# Altium PCB LightLink_V2_NOT_USED.PcbDoc (part 2 of 3) (continued)
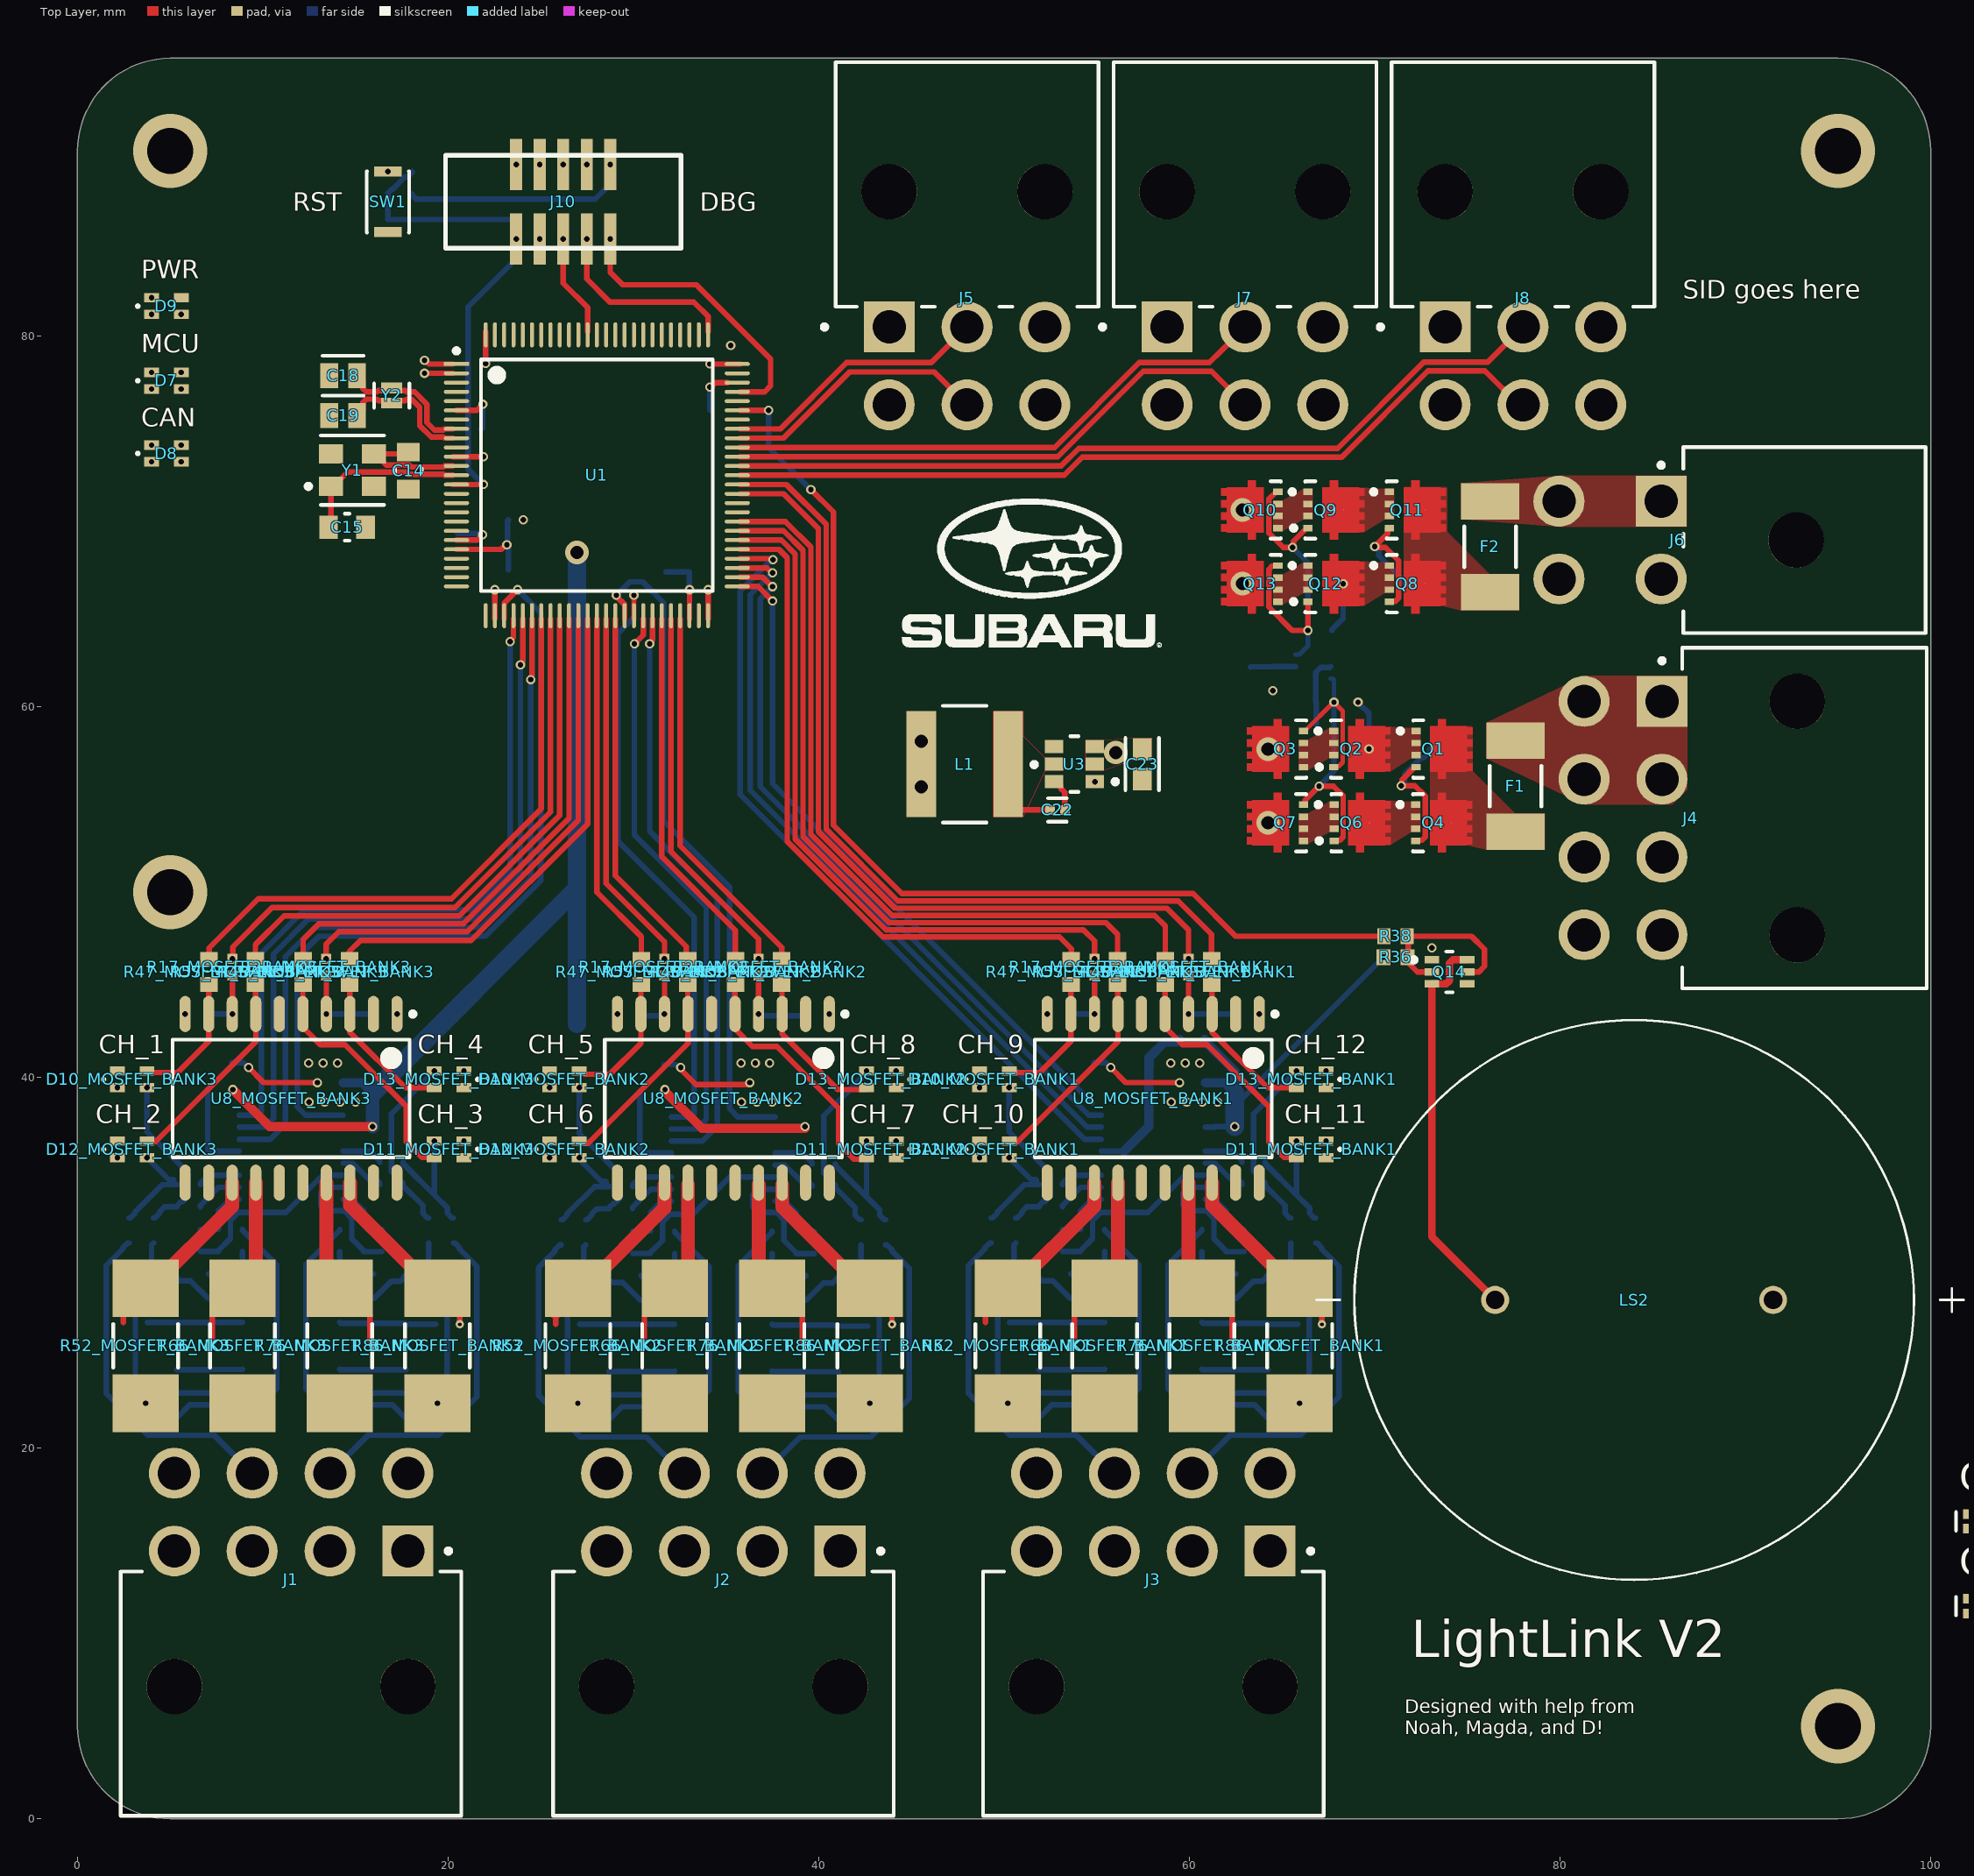
[diagram p0: Top Layer view]
## Nets (pads, with @x,y where several pads share a name; then routed paths per layer and width w, separated by ;. In a path a pad name is that pad's centre, name@x,y a point inside that pad or via, vN(x,y) a via of type N, cw(c..) or ccw(c..) an arc to the next point about the centre after c; other vN are vias at no path point)
3V3: C2.1 C3.2 C4.2 C5.2 C6.2 C9.2 C10.2 C11.2 C12.1 C13.1 C20_MOSFET_BANK1.1 C20_MOSFET_BANK2.1 C20_MOSFET_BANK3.1 C24.1 C25.1 C26.2 C29.2 C36.2 C37.2 C38.2 C39.1 C40.1 D7.2 D7.3 D9.2 FB1.1 J10.1 L1.2 R23_MOSFET_BANK1.1 R23_MOSFET_BANK2.1 R23_MOSFET_BANK3.1 R36.2 R41_MOSFET_BANK1.2 R41_MOSFET_BANK2.2 R41_MOSFET_BANK3.2 R45.1 R84_MOSFET_BANK1.2 R84_MOSFET_BANK2.2 R84_MOSFET_BANK3.2 R85_MOSFET_BANK1.2 R85_MOSFET_BANK2.2 R85_MOSFET_BANK3.2 R105.2 SW2.2 U1.6 U1.11 U1.20 U1.27 U1.48 U1.50 U1.73 U1.75 U1.100 U2.2 U2.13 U3.1 U4.5 U5.4 U9_MOSFET_BANK1.2 U9_MOSFET_BANK2.2 U9_MOSFET_BANK3.2 | length 107.1
  Top Layer w0.3: U1.11@20.25,73.5 v1(21.9,73.5) ; U1.20@20.45,69 21.565,69 v1(21.861,69.296) ; U1.6@20.45,76 21.546,76 v1(21.871,76.325) ; v1(22.025,78.525) U1.100@22.025,80.25 ; U1.27@22.525,64.75 v1(22.525,66.325) ; U1.48@33.025,64.75 v1(33.025,66.325) ; U1.50@34.025,64.75 v1(34.025,66.325) ; v1(34.125,77.25) 34.179,77.25 34.429,77.5 U1.73@35.073,77.5 ; v1(34.125,78.5) U1.75@35.75,78.5
  Top Layer w0.5: v1(8.375,39.35) 10.375,37.35 v1(15.925,37.35)
  Bottom Layer w0.3: U9_MOSFET_BANK3.2@14.325,37.325 14.864,37.325 14.889,37.35 v1(15.925,37.35) ; R45.1@18.05,87.675 18.05,87.625 18.275,87.4 27.94,87.4 28.75,88.21 v1(28.75,89.27) ; C40.1@20.486,69.396 20.525,69.357 21.801,69.357 v1(21.861,69.296) ; C39.1@21.792,74.975 21.871,75.054 v1(21.871,76.325) ; C36.2@31.75,67.275 C36.2@31.775,67.275 33,67.275 33.013,67.262 33.013,66.337 v1(33.025,66.325) ; C9.2@34.125,76 v1(34.125,77.25) ; U9_MOSFET_BANK1.2@60.85,37.325 61.389,37.325 61.414,37.35 v1(62.45,37.35) ; 62.45,38.47 v1(70.478,46.497)
  Bottom Layer w0.5: R41_MOSFET_BANK3.2@14.35,39.725 15.375,39.725 15.925,39.175 ; R23_MOSFET_BANK1.1@60.825,42.05 60.825,41.975 62.45,40.35 62.45,39.175 61.9,39.725 R41_MOSFET_BANK1.2@60.875,39.725
  Bottom Layer w0.75: v1(15.925,37.35) 15.925,39.175
  Bottom Layer w1: 15.925,39.175 26.95,50.2 ; 26.95,42.9 26.95,50.2 ; v2(26.95,68.325) 26.95,50.2 ; v1(62.45,37.35) 62.45,38.47 62.45,39.175
  other v1: 54.9,55.963 24.05,70.1 5.6,77.15 5.6,78.05 5.6,81.175
  other v2: 45.526,55.688 45.526,58.138
5V: C28.2 C34.2 R50.2 U4.3 U10.1
12V_IN: F2.1 J6.1 J6.3
12V_INH: D5.2 U1.92
12V_MOSFET: Q5.3 Q9.4 Q10.4 Q12.4 Q13.4 R5.2 | length 18.8
  Top Layer w0.3: Q13.4@64.775,67.625 64.75,67.6 64.462,67.6 64.286,67.424 64.286,65.389 65.55,64.125 v1(66.4,64.125) ; Q10.4@64.775,71.6 64.7,71.6 64.464,71.364 64.426,71.364 64.286,71.224 64.286,69.376 65.062,68.6 v1(65.575,68.6) 65.613,68.638 65.613,68.938 66.325,69.65 Q9.4@66.4,69.65 ; v1(66.4,64.125) Q12.4@66.4,65.675
  Bottom Layer w0.254: Q5.3@65.725,62.825 65.925,62.825 66.4,63.3 v1(66.4,64.125)
  Bottom Layer w0.3: v1(65.575,68.6) 66.4,67.775 v1(66.4,64.125)
12V_SENSE: R9.2 R14.2 U2.6
+12: J5.1 J5.3 J7.1 J7.3 J8.1 J8.3 Q10.5-6-7-8 Q13.5-6-7-8 R9.1
  other v2: 62.865,66.65 62.865,70.625
ADC_MISO_MOSFET_BANK1: U1.53 U9_MOSFET_BANK1.15 | length 40.6
  Top Layer w0.3: U1.53@35.75,67.5 37.199,67.5 37.46,67.239 v1(37.514,67.239)
  Bottom Layer w0.3: v1(37.514,67.239) 37.486,67.239 36.3,66.053 36.3,55.5 54.475,37.325 U9_MOSFET_BANK1.15@55.25,37.325
ADC_MISO_MOSFET_BANK2: U1.43 U9_MOSFET_BANK2.15 | length 30.8
  Top Layer w0.3: v1(30.05,63.4) 30.525,63.875 U1.43@30.525,64.75
  Bottom Layer w0.3: v1(30.05,63.4) 30.05,53.1 33.925,49.225 33.925,37.825 ; U9_MOSFET_BANK2.15@32.05,37.226 33.425,37.226 33.925,37.726
ADC_MISO_MOSFET_BANK3: U1.30 U9_MOSFET_BANK3.15 | length 39.9
  Top Layer w0.3: v1(23.9,62.275) 23.9,62.329 24.025,62.454 U1.30@24.025,64.75
  Bottom Layer w0.3: U9_MOSFET_BANK3.15@8.725,37.325 10.1,37.325 10.575,37.8 10.575,46.675 12.461,48.561 21.511,48.561 23.9,50.95 v1(23.9,62.275)
ADC_MOSI_MOSFET_BANK1: U1.54 U9_MOSFET_BANK1.14 | length 42.5
  Top Layer w0.3: U1.54@35.75,68 37.425,68 37.475,67.95 v1(37.529,67.95)
  Bottom Layer w0.3: v1(37.529,67.95) 37.475,67.95 37.314,67.789 37.286,67.789 35.75,66.253 35.75,55.275 54.35,36.675 U9_MOSFET_BANK1.14@55.25,36.675
ADC_MOSI_MOSFET_BANK2: U1.44 U9_MOSFET_BANK2.14 | length 31.7
  Top Layer w0.3: v1(30.875,63.4) 30.875,63.454 31.025,63.604 U1.44@31.025,64.75
  Bottom Layer w0.3: v1(30.875,63.4) 30.875,53.3 34.525,49.65 34.525,37.475 ; U9_MOSFET_BANK2.14@32.05,36.576 33.725,36.576 34.525,37.376
ADC_MOSI_MOSFET_BANK3: U1.31 U9_MOSFET_BANK3.14 | length 40.9
  Top Layer w0.3: v1(24.45,61.475) 24.488,61.513 24.488,61.655 24.525,61.691 U1.31@24.525,64.75
  Bottom Layer w0.3: U9_MOSFET_BANK3.14@8.725,36.675 10.4,36.675 11.225,37.5 11.225,46.525 12.8,48.1 21.775,48.1 24.45,50.775 v1(24.45,61.475)
ADC_nCS_MOSFET_BANK1: U1.51 U9_MOSFET_BANK1.1 | length 36.3
  Top Layer w0.3: U1.51@35.75,66.5 36.725,66.5 v1(37.514,65.711)
  Bottom Layer w0.3: v1(37.514,65.711) 37.514,55.861 54.75,38.625
ADC_nCS_MOSFET_BANK2: U1.41 U9_MOSFET_BANK2.1 | length 36.1
  Top Layer w0.3: v1(29.075,66.025) 29.075,65.971 29.525,65.521 U1.41@29.525,64.75
  Bottom Layer w0.3: v1(29.075,66.025) 29.8,66.75 30.5,66.75 31.625,65.625 31.625,53.85 35.185,50.29 35.185,38.415 ; 35.185,38.316 35.625,37.876 U9_MOSFET_BANK2.1@37.65,37.876
ADC_nCS_MOSFET_BANK3: U1.28 U9_MOSFET_BANK3.1 | length 43.7
  Top Layer w0.3: U1.28@23.025,64.75 23.025,65.6 v1(23.75,66.325)
  Bottom Layer w0.3: U9_MOSFET_BANK3.1@14.325,37.975 12.3,37.975 11.86,38.415 11.86,46.46 13.025,47.625 22,47.625 25,50.625 25,65.075 v1(23.75,66.325)
ADC_SCLK_MOSFET_BANK1: U1.52 U9_MOSFET_BANK1.16 | length 38.8
  Top Layer w0.3: U1.52@35.75,67 36.975,67 37.486,66.489 v1(37.514,66.489)
  Bottom Layer w0.3: v1(37.514,66.489) 36.85,65.825 36.85,55.7 54.575,37.975 U9_MOSFET_BANK1.16@55.25,37.975
ADC_SCLK_MOSFET_BANK2: U1.42 U9_MOSFET_BANK2.16 | length 32.5
  Top Layer w0.3: U1.42@30.025,64.75 v1(30.025,66.025)
  Bottom Layer w0.3: v1(30.025,66.025) 30.025,64.823 29.175,63.973 29.175,52.75 33.275,48.65 33.275,38.151 ; U9_MOSFET_BANK2.16@32.05,37.876 33.1,37.876 33.275,38.052
ADC_SCLK_MOSFET_BANK3: U1.29 U9_MOSFET_BANK3.16 | length 38.8
  Top Layer w0.3: v1(23.35,63.525) 23.35,63.579 23.525,63.754 U1.29@23.525,64.75
  Bottom Layer w0.3: U9_MOSFET_BANK3.16@8.725,37.975 9.744,37.975 9.92,38.151 9.92,46.72 12.25,49.05 21.25,49.05 23.35,51.15 v1(23.35,63.525)
ADDR_1: J5.2 U1.68 | length 14.5
  Top Layer w0.3: U1.68@35.75,75 37.925,75 41.5,78.575 46.075,78.575 J5.2@48,80.5
ADDR_2: J5.5 U1.67 | length 14.5
  Top Layer w0.3: U1.67@35.75,74.5 38.1,74.5 41.675,78.075 46.225,78.075 J5.5@48,76.3
ADDR_3: J7.2 U1.66 | length 29.9
  Top Layer w0.3: U1.66@35.75,74 52.725,74 57.3,78.575 61.075,78.575 61.725,79.225 J7.2@63,80.5
ADDR_4: J7.5 U1.65 | length 29.9
  Top Layer w0.3: U1.65@35.75,73.5 52.9,73.5 57.5,78.1 61.2,78.1 J7.5@63,76.3
ADDR_5: J8.2 U1.64 | length 45.4
  Top Layer w0.3: U1.64@35.75,73 53.075,73 54.025,73.95 68,73.95 72.65,78.6 76.1,78.6 J8.2@78,80.5
ADDR_6: J8.5 U1.63 | length 45.3
  Top Layer w0.3: U1.63@35.75,72.5 53.25,72.5 54.225,73.475 68.225,73.475 72.875,78.125 75.95,78.125 77.775,76.3 J8.5@78,76.3
BOOT: C26.1 R19.1 R20.2 R25.2
BUZZ: D9.3 R38.1 U1.70 | length 57.6
  Top Layer w0.3: U1.70@35.75,76 v1(37.3,76) ; v1(39.575,71.725) 40.789,70.511 40.789,53.611 44.475,49.925 60.2,49.925 62.5,47.625 R38.1@70.5,47.625
  Bottom Layer w0.3: v1(37.3,76) 37.3,74 v1(39.575,71.725)
BUZZ_NEG: LS2.N Q14.3 Q14.6 | length 21.5
  Top Layer w0.4: Q14.6@74.986,46.35 74.212,46.35 74.036,46.174 74.036,45.225 73.86,45.05 Q14.3@73.086,45.05 73.086,31.414 LS2.N@76.5,28
CAN1_RX: R27.1 U1.81 U4.4
CAN1_TX: R37.1 U1.82 U4.1
CAN_INH: D3.2 R2.1 U4.7
CAN_N: D4.2 J9.4 L2.3
CAN_nCS: R26.2 U4.14
CAN_P: D4.1 J9.1 L2.2
CAN_VSUP: D6.2 F1.1 J4.1 J4.2 J4.5 J4.6 J9.6
DIAG_ADC_nCS: R28.1 U2.1
G_LED: R34.1 U1.2 | length 1.5
  Top Layer w0.3: v1(18.725,78) U1.2@20.25,78
GND: C1.2 C2.2 C3.1 C4.1 C5.1 C6.1 C7.2 C8.1 C9.1 C10.1 C11.1 C12.2 C13.2 C14.1 C15.1 C16_MOSFET_BANK1.2 C16_MOSFET_BANK2.2 C16_MOSFET_BANK3.2 C17.2 C18.2 C19.2 C20_MOSFET_BANK1.2 C20_MOSFET_BANK2.2 C20_MOSFET_BANK3.2 C21_MOSFET_BANK1.2 C21_MOSFET_BANK2.2 C21_MOSFET_BANK3.2 C23.2 C24.2 C25.2 C27.1 C28.1 C29.1 C30.1 C31.1 C32.2 C33.2 C34.1 C35.1 C36.1 C37.1 C38.1 C39.2 C40.2 D4.3 D10_MOSFET_BANK1.4 D10_MOSFET_BANK2.4 D10_MOSFET_BANK3.4 D11_MOSFET_BANK1.4 D11_MOSFET_BANK2.4 D11_MOSFET_BANK3.4 D12_MOSFET_BANK1.4 D12_MOSFET_BANK2.4 D12_MOSFET_BANK3.4 D13_MOSFET_BANK1.4 D13_MOSFET_BANK2.4 D13_MOSFET_BANK3.4 J1.1 J1.2 J1.3 J1.4 J2.1 J2.2 J2.3 J2.4 J3.1 J3.2 J3.3 J3.4 J4.3 J4.4 J4.7 J4.8 J5.4 J5.6 J6.2 J6.4 J7.4 J7.6 J8.4 J8.6 J9.3 J10.3 J10.5 Q5.1 Q5.4 Q14.1 Q14.4 R3.2 R4.2 R7.2 R12.2 R13.1 R14.1 R15.1 R16.1 R18_MOSFET_BANK1.1 R18_MOSFET_BANK2.1 R18_MOSFET_BANK3.1 R20.1 R22_MOSFET_BANK1.1 R22_MOSFET_BANK2.1 R22_MOSFET_BANK3.1 R33.1 R35.1 R40.1 R44.2 R46_MOSFET_BANK1.1 R46_MOSFET_BANK2.1 R46_MOSFET_BANK3.1 R51.2 R59_MOSFET_BANK1.1 R59_MOSFET_BANK2.1 R59_MOSFET_BANK3.1 R60_MOSFET_BANK1.1 R60_MOSFET_BANK2.1 R60_MOSFET_BANK3.1 R71_MOSFET_BANK1.1 R71_MOSFET_BANK2.1 R71_MOSFET_BANK3.1 R72_MOSFET_BANK1.1 R72_MOSFET_BANK2.1 R72_MOSFET_BANK3.1 R81_MOSFET_BANK1.1 R81_MOSFET_BANK2.1 R81_MOSFET_BANK3.1 R82_MOSFET_BANK1.1 R82_MOSFET_BANK2.1 R82_MOSFET_BANK3.1 R91_MOSFET_BANK1.1 R91_MOSFET_BANK2.1 R91_MOSFET_BANK3.1 R92_MOSFET_BANK1.1 R92_MOSFET_BANK2.1 R92_MOSFET_BANK3.1 R93_MOSFET_BANK1.2 R93_MOSFET_BANK2.2 R93_MOSFET_BANK3.2 R94_MOSFET_BANK1.2 R94_MOSFET_BANK2.2 R94_MOSFET_BANK3.2 R99_MOSFET_BANK1.2 R99_MOSFET_BANK2.2 R99_MOSFET_BANK3.2 R100_MOSFET_BANK1.2 R100_MOSFET_BANK2.2 R100_MOSFET_BANK3.2 R106.1 SW1.2 SW3.1 U1.10 U1.19 U1.26 U1.49 U1.74 U1.99 U2.3 U2.12 U3.4 U4.2 U5.11 U7_MOSFET_BANK1.11 U7_MOSFET_BANK2.11 U7_MOSFET_BANK3.11 U8_MOSFET_BANK1.2 U8_MOSFET_BANK1.6 U8_MOSFET_BANK2.2 U8_MOSFET_BANK2.6 U8_MOSFET_BANK3.2 U8_MOSFET_BANK3.6 U9_MOSFET_BANK1.3 U9_MOSFET_BANK1.12 U9_MOSFET_BANK2.3 U9_MOSFET_BANK2.12 U9_MOSFET_BANK3.3 U9_MOSFET_BANK3.12 U10.2 Y1.2 Y1.4
  other v1: 12.5,38.675 13.333,38.675 14.167,38.675 15,38.675 59.025,38.675 59.858,38.675 60.692,38.675 61.525,38.675 12.475,40.775 13.25,40.775 14.025,40.775 59,40.775 59.775,40.775 60.55,40.775 73.086,47 64.5,60.875 35.25,79.5 26.21,89.27 27.48,89.27
  other v3: 95,5 5,50 5,90 95,90
INT_3V3_SENSE: R105.1 R106.2 U2.7
INT_5V_SENSE: R50.1 R51.1 U2.8
M1_I_SENSE_MOSFET_BANK1: R55_MOSFET_BANK1.1 R60_MOSFET_BANK1.2 U9_MOSFET_BANK1.6 | length 10
  Bottom Layer w0.3: R60_MOSFET_BANK1.2@53.15,30.61 R55_MOSFET_BANK1.1@54.125,30.61 54.125,30.66 54.776,31.311 54.776,32.299 55.202,32.725 57.76,32.725 59.76,34.725 U9_MOSFET_BANK1.6@60.85,34.725
M1_I_SENSE_MOSFET_BANK2: R55_MOSFET_BANK2.1 R60_MOSFET_BANK2.2 U9_MOSFET_BANK2.6 | length 10
  Bottom Layer w0.3: R60_MOSFET_BANK2.2@29.95,30.511 30.925,30.511 30.925,30.561 31.577,31.212 31.577,32.2 32.003,32.626 33.2,32.626 35.2,34.626 U9_MOSFET_BANK2.6@37.65,34.626
M1_I_SENSE_MOSFET_BANK3: R55_MOSFET_BANK3.1 R60_MOSFET_BANK3.2 U9_MOSFET_BANK3.6 | length 10
  Bottom Layer w0.3: R60_MOSFET_BANK3.2@6.625,30.61 R55_MOSFET_BANK3.1@7.6,30.61 7.6,30.66 8.251,31.311 8.251,32.299 8.677,32.725 11.235,32.725 13.235,34.725 U9_MOSFET_BANK3.6@14.325,34.725
M1_OUT_MOSFET_BANK1: J3.8 R52_MOSFET_BANK1.2 R53_MOSFET_BANK1.2 R54_MOSFET_BANK1.2 | length 9.3
  Bottom Layer w0.3: v1(50.2,22.425) 49.65,22.975 49.65,28.385 50.525,29.26 R53_MOSFET_BANK1.2@50.525,29.31 50.525,30.975 R54_MOSFET_BANK1.2@50.625,31.075
M1_OUT_MOSFET_BANK2: J2.8 R52_MOSFET_BANK2.2 R53_MOSFET_BANK2.2 R54_MOSFET_BANK2.2 | length 9.3
  Bottom Layer w0.3: 27,22.326 26.45,22.876 26.45,28.286 27.325,29.161 27.325,29.211 27.325,30.876 R54_MOSFET_BANK2.2@27.425,30.976
M1_OUT_MOSFET_BANK3: J1.8 R52_MOSFET_BANK3.2 R53_MOSFET_BANK3.2 R54_MOSFET_BANK3.2 | length 9.3
  Bottom Layer w0.3: v1(3.675,22.425) 3.125,22.975 3.125,28.385 4,29.26 R53_MOSFET_BANK3.2@4,29.31 4,30.975 R54_MOSFET_BANK3.2@4.1,31.075
M1_PRE_SHUNT_MOSFET_BANK1: R52_MOSFET_BANK1.1 R56_MOSFET_BANK1.2 U8_MOSFET_BANK1.13 | length 10.1
  Top Layer w0.3: 49,26.785 R52_MOSFET_BANK1.1@49,27.45
  Top Layer w0.75: R52_MOSFET_BANK1.1@49,27.45 50.175,28.625 R52_MOSFET_BANK1.1@50.2,28.625 50.435,28.625 54.875,33.065 U8_MOSFET_BANK1.13@54.875,34.325
M1_PRE_SHUNT_MOSFET_BANK2: R52_MOSFET_BANK2.1 R56_MOSFET_BANK2.2 U8_MOSFET_BANK2.13 | length 10.1
  Top Layer w0.3: 25.8,26.686 R52_MOSFET_BANK2.1@25.8,27.351
  Top Layer w0.75: R52_MOSFET_BANK2.1@25.8,27.351 26.975,28.526 27,28.526 27.235,28.526 31.675,32.966 U8_MOSFET_BANK2.13@31.675,34.226
M1_PRE_SHUNT_MOSFET_BANK3: R52_MOSFET_BANK3.1 R56_MOSFET_BANK3.2 U8_MOSFET_BANK3.13 | length 10.1
  Top Layer w0.3: 2.475,26.785 R52_MOSFET_BANK3.1@2.475,27.45
  Top Layer w0.75: R52_MOSFET_BANK3.1@2.475,27.45 3.65,28.625 R52_MOSFET_BANK3.1@3.675,28.625 3.91,28.625 8.35,33.065 U8_MOSFET_BANK3.13@8.35,34.325
M1_TRIG: R47_MOSFET_BANK3.2 U1.32 | length 32
  Top Layer w0.3: R47_MOSFET_BANK3.2@7.1,46.325 7.1,47 9.75,49.65 20.17,49.65 25.025,54.505 U1.32@25.025,64.75
M1_TRIG_MOSFET_BANK1: D10_MOSFET_BANK1.3 R47_MOSFET_BANK1.1 U8_MOSFET_BANK1.9 | length 6.9
  Top Layer w0.3: D10_MOSFET_BANK1.3@50.575,40.275 51.925,40.275 53.6,41.95 53.6,43.42 U8_MOSFET_BANK1.9@53.603,43.423 ; R47_MOSFET_BANK1.1@53.625,45.075 53.603,45.073 U8_MOSFET_BANK1.9@53.603,43.423 ; U8_MOSFET_BANK1.9@53.603,43.423 U8_MOSFET_BANK1.9@53.605,43.425 U8_MOSFET_BANK1.9@53.603,43.422
M1_TRIG_MOSFET_BANK2: D10_MOSFET_BANK2.3 R47_MOSFET_BANK2.1 U8_MOSFET_BANK2.9 | length 6.9
  Top Layer w0.3: D10_MOSFET_BANK2.3@27.375,40.176 28.725,40.176 30.4,41.851 30.4,43.321 U8_MOSFET_BANK2.9@30.403,43.324 ; R47_MOSFET_BANK2.1@30.425,44.976 30.403,44.974 U8_MOSFET_BANK2.9@30.403,43.324 ; U8_MOSFET_BANK2.9@30.403,43.323 30.405,43.326 U8_MOSFET_BANK2.9@30.403,43.324
M1_TRIG_MOSFET_BANK3: D10_MOSFET_BANK3.3 R47_MOSFET_BANK3.1 U8_MOSFET_BANK3.9 | length 6.9
  Top Layer w0.3: D10_MOSFET_BANK3.3@4.05,40.275 5.4,40.275 7.075,41.95 7.075,43.42 U8_MOSFET_BANK3.9@7.078,43.423 ; R47_MOSFET_BANK3.1@7.1,45.075 7.078,45.073 U8_MOSFET_BANK3.9@7.078,43.423 ; U8_MOSFET_BANK3.9@7.078,43.422 U8_MOSFET_BANK3.9@7.08,43.425 U8_MOSFET_BANK3.9@7.078,43.423
M1_V_SENSE_MOSFET_BANK1: D10_MOSFET_BANK1.2 R54_MOSFET_BANK1.1 R101_MOSFET_BANK1.1 | length 9.2
  Bottom Layer w0.3: v1(50.275,39.45) 50.275,37.075 52.489,34.861 52.489,33.609 52.175,33.295 52.1,33.295 51.9,33.095 R101_MOSFET_BANK1.1@51.9,33.02 51.22,33.02 50.95,32.75 50.95,32.675 50.7,32.425 R54_MOSFET_BANK1.1@50.625,32.425
M1_V_SENSE_MOSFET_BANK2: D10_MOSFET_BANK2.2 R54_MOSFET_BANK2.1 R101_MOSFET_BANK2.1 | length 9.2
  Bottom Layer w0.3: 27.075,39.351 27.075,36.976 29.289,34.762 29.289,33.51 28.975,33.196 28.9,33.196 28.7,32.996 28.7,32.921 28.02,32.921 27.75,32.651 27.75,32.576 27.5,32.326 R54_MOSFET_BANK2.1@27.425,32.326
M1_V_SENSE_MOSFET_BANK3: D10_MOSFET_BANK3.2 R54_MOSFET_BANK3.1 R101_MOSFET_BANK3.1 | length 9.2
  Bottom Layer w0.3: v1(3.75,39.45) 3.75,37.075 5.964,34.861 5.964,33.609 5.65,33.295 5.575,33.295 5.375,33.095 R101_MOSFET_BANK3.1@5.375,33.02 4.695,33.02 4.425,32.75 4.425,32.675 4.175,32.425 R54_MOSFET_BANK3.1@4.1,32.425
M2_I_SENSE_MOSFET_BANK1: R69_MOSFET_BANK1.1 R72_MOSFET_BANK1.2 U9_MOSFET_BANK1.9 | length 3.4
  Bottom Layer w0.3: R72_MOSFET_BANK1.2@53.15,31.81 R69_MOSFET_BANK1.1@54.125,31.81 54.125,32.811 54.739,33.425 U9_MOSFET_BANK1.9@55.25,33.425
M2_I_SENSE_MOSFET_BANK2: R69_MOSFET_BANK2.1 R72_MOSFET_BANK2.2 U9_MOSFET_BANK2.9 | length 3.4
  Bottom Layer w0.3: R72_MOSFET_BANK2.2@29.95,31.711 30.925,31.711 30.925,32.712 31.539,33.326 U9_MOSFET_BANK2.9@32.05,33.326
M2_I_SENSE_MOSFET_BANK3: R69_MOSFET_BANK3.1 R72_MOSFET_BANK3.2 U9_MOSFET_BANK3.9 | length 3.4
  Bottom Layer w0.3: R72_MOSFET_BANK3.2@6.625,31.81 R69_MOSFET_BANK3.1@7.6,31.81 7.6,32.811 8.214,33.425 U9_MOSFET_BANK3.9@8.725,33.425
M2_OUT_MOSFET_BANK1: J3.7 R66_MOSFET_BANK1.2 R67_MOSFET_BANK1.2 R68_MOSFET_BANK1.2 | length 18.3
  Bottom Layer w0.3: R68_MOSFET_BANK1.2@49.3,31.075 49.225,31.075 48.975,30.825 48.975,30.75 48.075,29.85 48.075,22.95 50.325,20.7 53.9,20.7 J3.7@55.95,18.65
M2_OUT_MOSFET_BANK2: J2.7 R66_MOSFET_BANK2.2 R67_MOSFET_BANK2.2 R68_MOSFET_BANK2.2 | length 18.3
  Bottom Layer w0.3: R68_MOSFET_BANK2.2@26.1,30.976 26.025,30.976 25.775,30.726 25.775,30.651 24.875,29.751 24.875,22.851 27.125,20.601 30.7,20.601 J2.7@32.75,18.551
M2_OUT_MOSFET_BANK3: J1.7 R66_MOSFET_BANK3.2 R67_MOSFET_BANK3.2 R68_MOSFET_BANK3.2 | length 18.3
  Bottom Layer w0.3: R68_MOSFET_BANK3.2@2.775,31.075 2.7,31.075 2.45,30.825 2.45,30.75 1.55,29.85 1.55,22.95 3.8,20.7 7.375,20.7 J1.7@9.425,18.65
M2_PRE_SHUNT_MOSFET_BANK1: R66_MOSFET_BANK1.1 R70_MOSFET_BANK1.2 U8_MOSFET_BANK1.14 | length 10
  Top Layer w0.3: v1(53.6,25.535) 53.6,25.589 53.79,25.779 53.79,27.225 55.19,28.625 R66_MOSFET_BANK1.1@55.425,28.625
  Top Layer w0.75: R66_MOSFET_BANK1.1@55.425,28.625 56.145,29.345 U8_MOSFET_BANK1.14@56.145,34.325
M2_PRE_SHUNT_MOSFET_BANK2: R66_MOSFET_BANK2.1 R70_MOSFET_BANK2.2 U8_MOSFET_BANK2.14 | length 10
  Top Layer w0.3: 30.4,25.436 30.4,25.49 30.59,25.68 30.59,27.126 31.99,28.526 R66_MOSFET_BANK2.1@32.225,28.526
  Top Layer w0.75: R66_MOSFET_BANK2.1@32.225,28.526 32.945,29.246 U8_MOSFET_BANK2.14@32.945,34.226
M2_PRE_SHUNT_MOSFET_BANK3: R66_MOSFET_BANK3.1 R70_MOSFET_BANK3.2 U8_MOSFET_BANK3.14 | length 10
  Top Layer w0.3: v1(7.075,25.535) 7.075,25.589 7.265,25.779 7.265,27.225 8.665,28.625 R66_MOSFET_BANK3.1@8.9,28.625
  Top Layer w0.75: R66_MOSFET_BANK3.1@8.9,28.625 9.62,29.345 U8_MOSFET_BANK3.14@9.62,34.325
M2_TRIG: R57_MOSFET_BANK3.2 U1.34 | length 30.8
  Top Layer w0.3: R57_MOSFET_BANK3.2@9.6,46.325 9.6,47.175 11.15,48.725 20.6,48.725 26.025,54.15 U1.34@26.025,64.75
M2_TRIG_MOSFET_BANK1: D12_MOSFET_BANK1.3 R57_MOSFET_BANK1.1 U8_MOSFET_BANK1.7 | length 10.9
  Top Layer w0.3: D12_MOSFET_BANK1.3@50.6,36.55 50.75,36.55 56.145,41.945 U8_MOSFET_BANK1.7@56.145,43.425 56.135,43.435 56.135,45.065 R57_MOSFET_BANK1.1@56.125,45.075
M2_TRIG_MOSFET_BANK2: D12_MOSFET_BANK2.3 R57_MOSFET_BANK2.1 U8_MOSFET_BANK2.7 | length 10.9
  Top Layer w0.3: D12_MOSFET_BANK2.3@27.4,36.451 27.55,36.451 32.945,41.846 32.945,43.326 32.935,43.336 32.935,44.966 R57_MOSFET_BANK2.1@32.925,44.976
M2_TRIG_MOSFET_BANK3: D12_MOSFET_BANK3.3 R57_MOSFET_BANK3.1 U8_MOSFET_BANK3.7 | length 10.9
  Top Layer w0.3: D12_MOSFET_BANK3.3@4.075,36.55 4.225,36.55 9.62,41.945 U8_MOSFET_BANK3.7@9.62,43.425 9.61,43.435 9.61,45.065 R57_MOSFET_BANK3.1@9.6,45.075
M2_V_SENSE_MOSFET_BANK1: D12_MOSFET_BANK1.2 R68_MOSFET_BANK1.1 R104_MOSFET_BANK1.1 | length 5.6
  Bottom Layer w0.3: R68_MOSFET_BANK1.1@49.3,32.425 49.375,32.425 49.625,32.675 49.625,32.745 51.1,34.22 R104_MOSFET_BANK1.1@51.73,34.22 ; v1(50.275,35.675) 51.455,34.495 51.7,34.495 51.73,34.465 R104_MOSFET_BANK1.1@51.73,34.22 ; R104_MOSFET_BANK1.1@51.9,34.22 R104_MOSFET_BANK1.1@51.73,34.22
M2_V_SENSE_MOSFET_BANK2: D12_MOSFET_BANK2.2 R68_MOSFET_BANK2.1 R104_MOSFET_BANK2.1 | length 5.6
  Bottom Layer w0.3: R68_MOSFET_BANK2.1@26.1,32.326 26.175,32.326 26.425,32.576 26.425,32.646 27.9,34.121 R104_MOSFET_BANK2.1@28.531,34.121 ; 27.075,35.576 28.256,34.396 28.5,34.396 28.531,34.366 R104_MOSFET_BANK2.1@28.531,34.121 ; R104_MOSFET_BANK2.1@28.7,34.121 R104_MOSFET_BANK2.1@28.531,34.121
M2_V_SENSE_MOSFET_BANK3: D12_MOSFET_BANK3.2 R68_MOSFET_BANK3.1 R104_MOSFET_BANK3.1 | length 5.6
  Bottom Layer w0.3: R68_MOSFET_BANK3.1@2.775,32.425 2.85,32.425 3.1,32.675 3.1,32.745 4.575,34.22 R104_MOSFET_BANK3.1@5.205,34.22 ; v1(3.75,35.675) 4.93,34.495 5.175,34.495 5.205,34.465 R104_MOSFET_BANK3.1@5.205,34.22 ; R104_MOSFET_BANK3.1@5.375,34.22 R104_MOSFET_BANK3.1@5.205,34.22
M3_I_SENSE_MOSFET_BANK1: R79_MOSFET_BANK1.1 R82_MOSFET_BANK1.2 U9_MOSFET_BANK1.8 | length 3.2
  Bottom Layer w0.3: U9_MOSFET_BANK1.8@60.85,33.425 61.361,33.425 61.975,32.811 61.975,32.025 62.2,31.8 R82_MOSFET_BANK1.2@62.95,31.8
M3_I_SENSE_MOSFET_BANK2: R79_MOSFET_BANK2.1 R82_MOSFET_BANK2.2 U9_MOSFET_BANK2.8 | length 3.2
  Bottom Layer w0.3: U9_MOSFET_BANK2.8@37.65,33.326 38.162,33.326 38.775,32.712 38.775,31.926 39,31.701 R82_MOSFET_BANK2.2@39.75,31.701
M3_I_SENSE_MOSFET_BANK3: R79_MOSFET_BANK3.1 R82_MOSFET_BANK3.2 U9_MOSFET_BANK3.8 | length 3.2
  Bottom Layer w0.3: U9_MOSFET_BANK3.8@14.325,33.425 14.836,33.425 15.45,32.811 15.45,32.025 15.675,31.8 R82_MOSFET_BANK3.2@16.425,31.8
M3_OUT_MOSFET_BANK1: J3.6 R76_MOSFET_BANK1.2 R77_MOSFET_BANK1.2 R78_MOSFET_BANK1.2 | length 18.5
  Bottom Layer w0.3: J3.6@60.15,18.65 62.2,20.7 66,20.7 68.075,22.775 68.075,29.809 67.134,30.75 67.134,30.825 66.884,31.075 R78_MOSFET_BANK1.2@66.809,31.075
M3_OUT_MOSFET_BANK2: J2.6 R76_MOSFET_BANK2.2 R77_MOSFET_BANK2.2 R78_MOSFET_BANK2.2 | length 18.5
  Bottom Layer w0.3: J2.6@36.95,18.551 39,20.601 42.8,20.601 44.875,22.676 44.875,29.71 43.934,30.651 43.934,30.726 43.684,30.976 R78_MOSFET_BANK2.2@43.609,30.976
M3_OUT_MOSFET_BANK3: J1.6 R76_MOSFET_BANK3.2 R77_MOSFET_BANK3.2 R78_MOSFET_BANK3.2 | length 18.5
  Bottom Layer w0.3: J1.6@13.625,18.65 15.675,20.7 19.475,20.7 21.55,22.775 21.55,29.809 20.609,30.75 20.609,30.825 20.359,31.075 R78_MOSFET_BANK3.2@20.284,31.075
M3_PRE_SHUNT_MOSFET_BANK1: R76_MOSFET_BANK1.1 R80_MOSFET_BANK1.2 U8_MOSFET_BANK1.17 | length 10
  Top Layer w0.3: R76_MOSFET_BANK1.1@60.675,28.625 60.91,28.625 62.31,27.225 62.31,25.769 62.5,25.579 v1(62.5,25.525)
  Top Layer w0.75: U8_MOSFET_BANK1.17@59.955,34.325 59.955,29.345 R76_MOSFET_BANK1.1@60.675,28.625
M3_PRE_SHUNT_MOSFET_BANK2: R76_MOSFET_BANK2.1 R80_MOSFET_BANK2.2 U8_MOSFET_BANK2.17 | length 10
  Top Layer w0.3: R76_MOSFET_BANK2.1@37.475,28.526 37.71,28.526 39.11,27.126 39.11,25.67 39.3,25.48 39.3,25.426
  Top Layer w0.75: U8_MOSFET_BANK2.17@36.755,34.226 36.755,29.246 R76_MOSFET_BANK2.1@37.475,28.526
M3_PRE_SHUNT_MOSFET_BANK3: R76_MOSFET_BANK3.1 R80_MOSFET_BANK3.2 U8_MOSFET_BANK3.17 | length 10
  Top Layer w0.3: R76_MOSFET_BANK3.1@14.15,28.625 14.385,28.625 15.785,27.225 15.785,25.769 15.975,25.579 v1(15.975,25.525)
  Top Layer w0.75: U8_MOSFET_BANK3.17@13.43,34.325 13.43,29.345 R76_MOSFET_BANK3.1@14.15,28.625
M3_TRIG: R48_MOSFET_BANK3.2 U1.35 | length 28.9
  Top Layer w0.3: R48_MOSFET_BANK3.2@12.175,46.325 12.175,47.45 13.025,48.3 20.825,48.3 26.525,54 U1.35@26.525,64.75
M3_TRIG_MOSFET_BANK1: D11_MOSFET_BANK1.3 R48_MOSFET_BANK1.1 U8_MOSFET_BANK1.5 | length 13.5
  Top Layer w0.3: R48_MOSFET_BANK1.1@58.7,45.075 58.68,45.07 58.68,43.43 U8_MOSFET_BANK1.5@58.685,43.425 58.685,42.715 59.625,41.775 60.95,41.775 64.275,38.45 64.275,36.525 65.107,35.693 65.757,35.693 D11_MOSFET_BANK1.3@65.775,35.675
M3_TRIG_MOSFET_BANK2: D11_MOSFET_BANK2.3 R48_MOSFET_BANK2.1 U8_MOSFET_BANK2.5 | length 13.5
  Top Layer w0.3: R48_MOSFET_BANK2.1@35.5,44.976 35.48,44.971 35.48,43.331 35.485,43.326 35.485,42.616 36.425,41.676 37.75,41.676 41.075,38.351 41.075,36.426 41.907,35.594 42.557,35.594 D11_MOSFET_BANK2.3@42.575,35.576
M3_TRIG_MOSFET_BANK3: D11_MOSFET_BANK3.3 R48_MOSFET_BANK3.1 U8_MOSFET_BANK3.5 | length 13.5
  Top Layer w0.3: R48_MOSFET_BANK3.1@12.175,45.075 12.155,45.07 12.155,43.43 U8_MOSFET_BANK3.5@12.16,43.425 12.16,42.715 13.1,41.775 14.425,41.775 17.75,38.45 17.75,36.525 18.582,35.693 19.232,35.693 D11_MOSFET_BANK3.3@19.25,35.675
M3_V_SENSE_MOSFET_BANK1: D11_MOSFET_BANK1.2 R78_MOSFET_BANK1.1 R97_MOSFET_BANK1.1 | length 7.1
  Bottom Layer w0.3: R97_MOSFET_BANK1.1@64.09,35.433 64.09,35.358 65.775,33.673 ; v1(65.775,36.575) 65.775,33.673 ; R78_MOSFET_BANK1.1@66.809,32.425 66.734,32.425 66.484,32.675 66.484,32.964 65.775,33.673
M3_V_SENSE_MOSFET_BANK2: D11_MOSFET_BANK2.2 R78_MOSFET_BANK2.1 R97_MOSFET_BANK2.1 | length 7.1
  Bottom Layer w0.3: R97_MOSFET_BANK2.1@40.89,35.334 40.89,35.259 42.575,33.574 ; 42.575,36.476 42.575,33.574 ; R78_MOSFET_BANK2.1@43.609,32.326 43.534,32.326 43.284,32.576 43.284,32.865 42.575,33.574
M3_V_SENSE_MOSFET_BANK3: D11_MOSFET_BANK3.2 R78_MOSFET_BANK3.1 R97_MOSFET_BANK3.1 | length 7.1
  Bottom Layer w0.3: R97_MOSFET_BANK3.1@17.565,35.433 17.565,35.358 19.25,33.673 ; v1(19.25,36.575) 19.25,33.673 ; R78_MOSFET_BANK3.1@20.284,32.425 20.209,32.425 19.959,32.675 19.959,32.964 19.25,33.673
M4_I_SENSE_MOSFET_BANK1: R89_MOSFET_BANK1.1 R92_MOSFET_BANK1.2 U9_MOSFET_BANK1.7 | length 7
  Bottom Layer w0.3: U9_MOSFET_BANK1.7@60.85,34.075 59.95,34.075 59.649,33.774 59.649,33.101 59.937,32.812 60.912,32.812 61.325,32.4 61.325,31.3 61.975,30.65 R89_MOSFET_BANK1.1@61.975,30.6 R92_MOSFET_BANK1.2@62.95,30.6
M4_I_SENSE_MOSFET_BANK2: R89_MOSFET_BANK2.1 R92_MOSFET_BANK2.2 U9_MOSFET_BANK2.7 | length 7
  Bottom Layer w0.3: U9_MOSFET_BANK2.7@37.65,33.976 36.75,33.976 36.45,33.675 36.45,33.002 36.738,32.713 37.713,32.713 38.125,32.301 38.125,31.201 38.775,30.551 38.775,30.501 R92_MOSFET_BANK2.2@39.75,30.501
M4_I_SENSE_MOSFET_BANK3: R89_MOSFET_BANK3.1 R92_MOSFET_BANK3.2 U9_MOSFET_BANK3.7 | length 7
  Bottom Layer w0.3: U9_MOSFET_BANK3.7@14.325,34.075 13.425,34.075 13.124,33.774 13.124,33.101 13.412,32.812 14.387,32.812 14.8,32.4 14.8,31.3 15.45,30.65 R89_MOSFET_BANK3.1@15.45,30.6 R92_MOSFET_BANK3.2@16.425,30.6
M4_OUT_MOSFET_BANK1: J3.5 R86_MOSFET_BANK1.2 R87_MOSFET_BANK1.2 R88_MOSFET_BANK1.2 | length 9.3
  Bottom Layer w0.3: R88_MOSFET_BANK1.2@65.484,31.075 65.475,31.066 R87_MOSFET_BANK1.2@65.475,29.285 65.475,28.198 66.464,27.209 66.464,22.939 v1(65.95,22.425)
M4_OUT_MOSFET_BANK2: J2.5 R86_MOSFET_BANK2.2 R87_MOSFET_BANK2.2 R88_MOSFET_BANK2.2 | length 9.3
  Bottom Layer w0.3: R88_MOSFET_BANK2.2@42.284,30.976 42.275,30.967 42.275,29.186 42.275,28.099 43.264,27.11 43.264,22.84 42.75,22.326
M4_OUT_MOSFET_BANK3: J1.5 R86_MOSFET_BANK3.2 R87_MOSFET_BANK3.2 R88_MOSFET_BANK3.2 | length 9.3
  Bottom Layer w0.3: R88_MOSFET_BANK3.2@18.959,31.075 18.95,31.066 R87_MOSFET_BANK3.2@18.95,29.285 18.95,28.198 19.939,27.209 19.939,22.939 v1(19.425,22.425)
M4_PRE_SHUNT_MOSFET_BANK1: R86_MOSFET_BANK1.1 R90_MOSFET_BANK1.2 U8_MOSFET_BANK1.18 | length 10.2
  Top Layer w0.3: R86_MOSFET_BANK1.1@65.95,28.625 67.15,27.425 v4(67.15,26.685)
  Top Layer w0.75: U8_MOSFET_BANK1.18@61.225,34.325 61.225,33.115 65.715,28.625 R86_MOSFET_BANK1.1@65.95,28.625